# Altium PCB CompleteController.PcbDoc (continued)
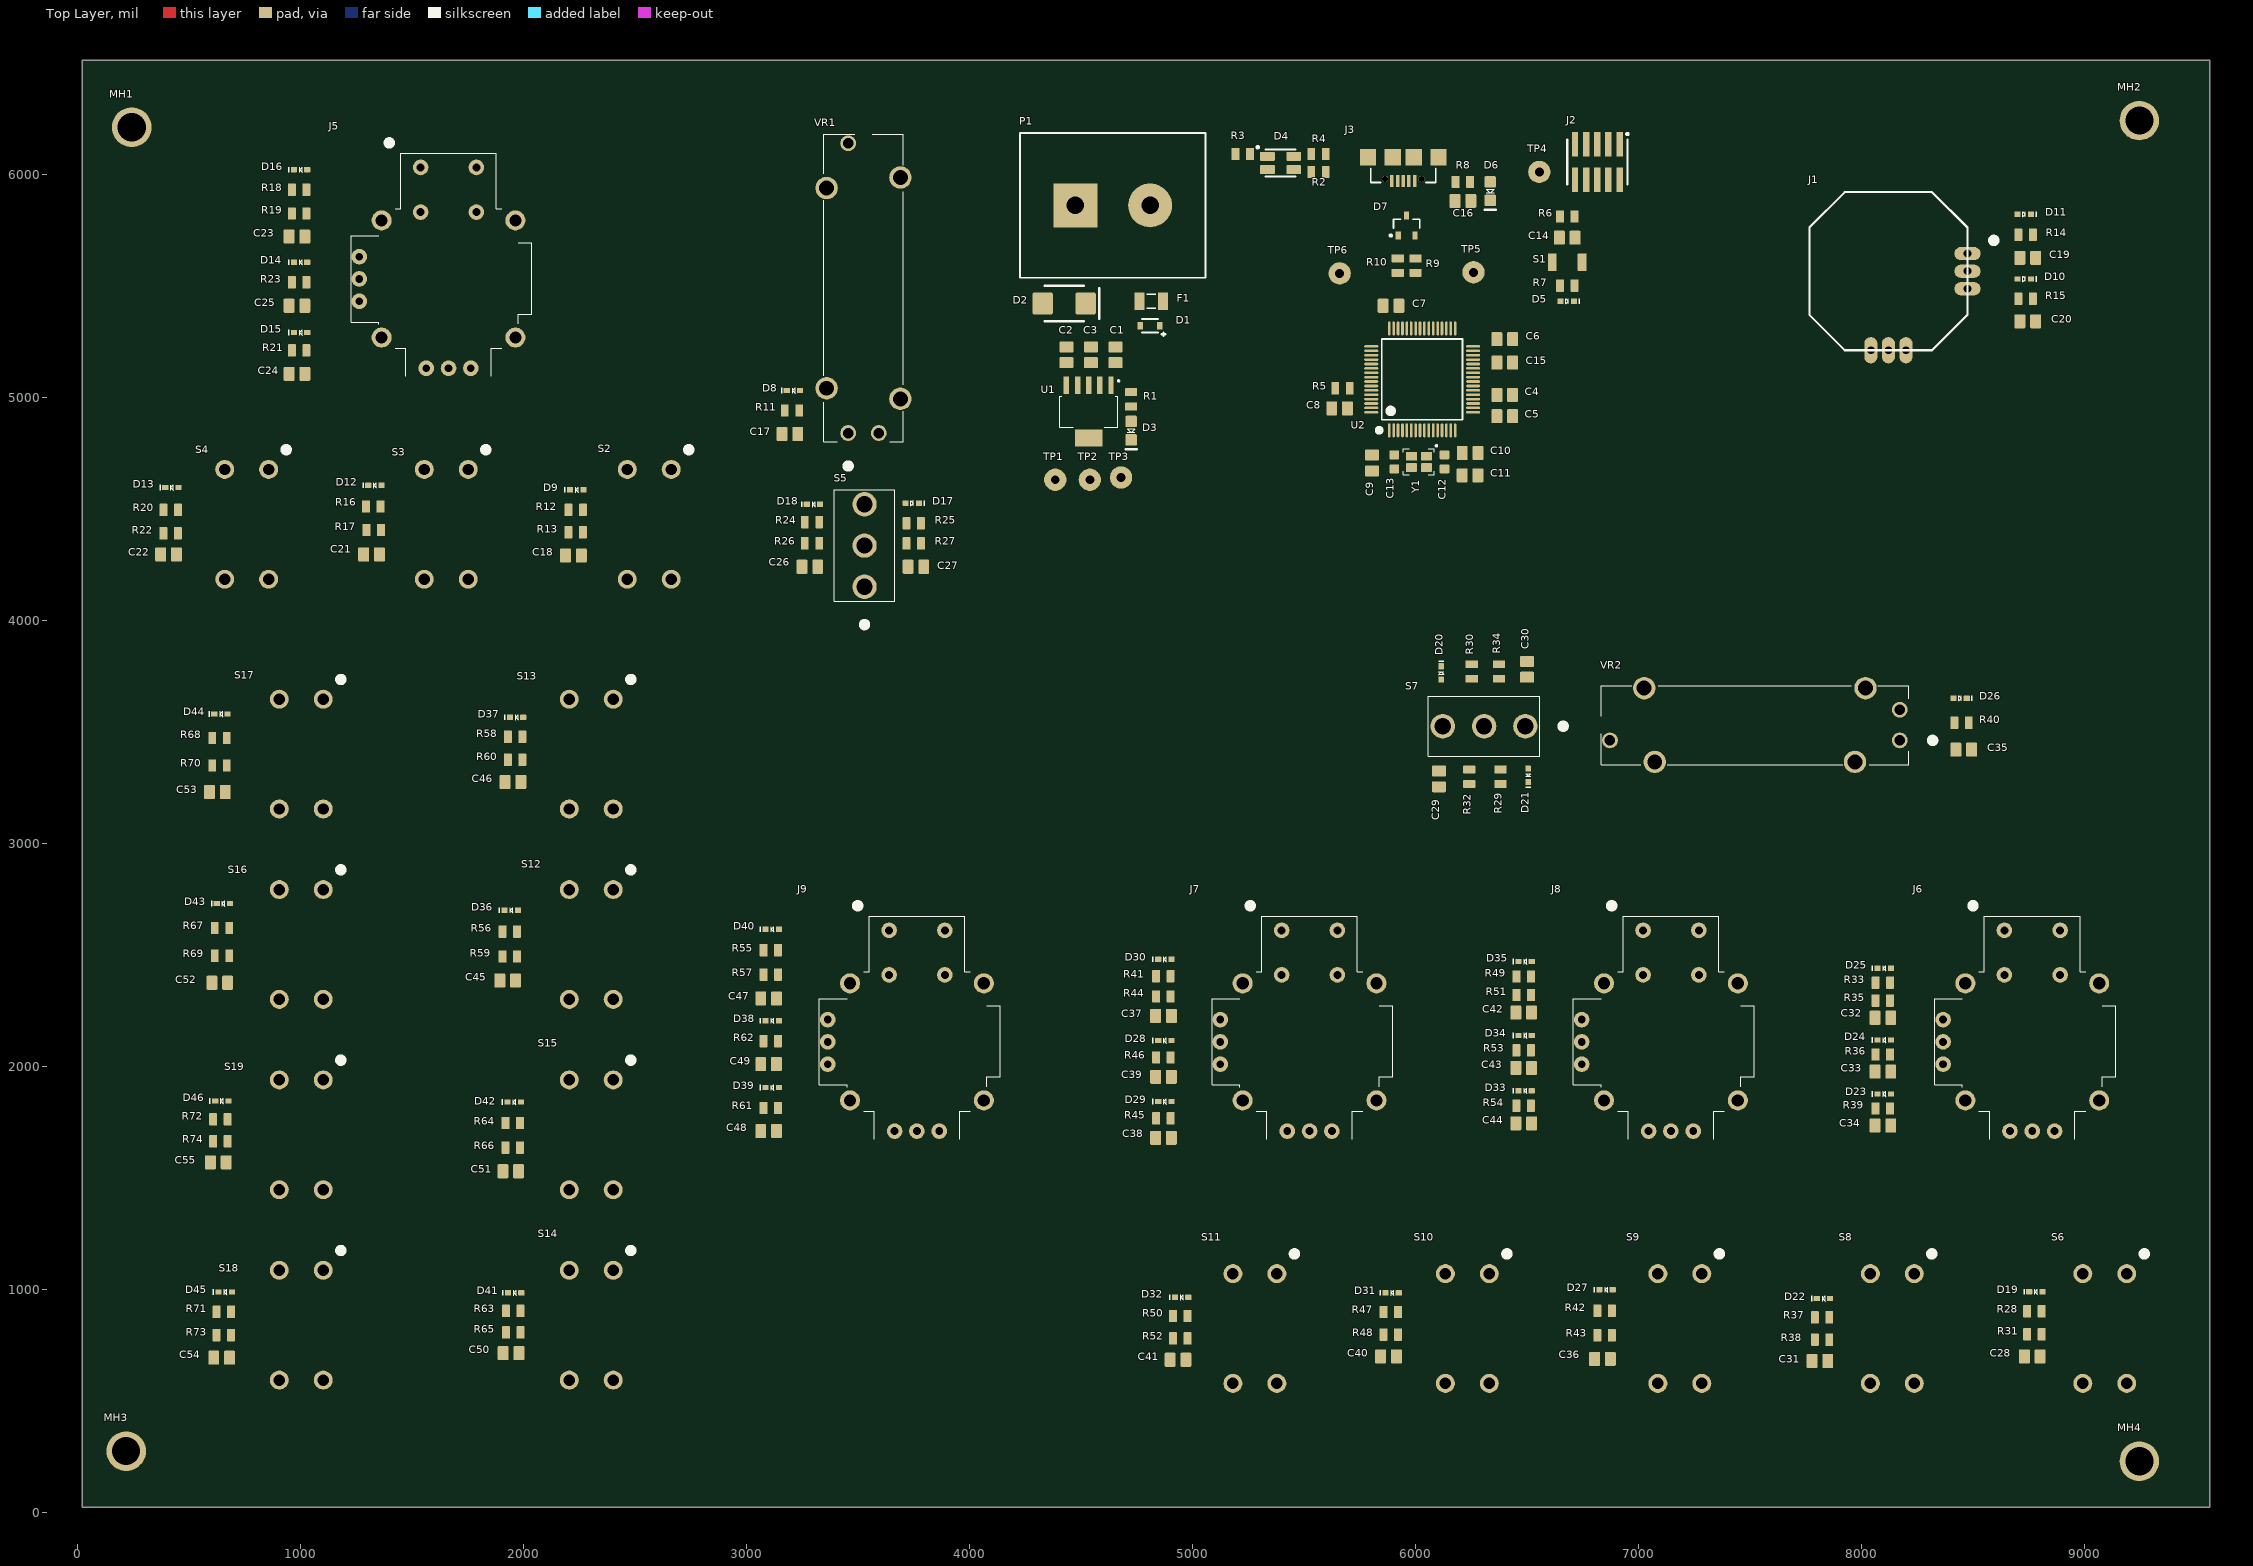
[diagram p0: Top Layer view]
## Components (designator, comment, footprint, x,y, rotation, side; value= is the part's Value field where it differs from the comment) (continued)
R48 "RES_10kΩ_0805_5%" RESC0805 5888.5,797.62 r180 top value=10kO
R49 "RES_10kΩ_0805_5%" RESC0805 6484.65,2403 r0 top value=10kO
R50 "RES_10kΩ_0805_5%" RESC0805 4945,880.85 r0 top value=10kO
R51 "RES_10kΩ_0805_5%" RESC0805 6484.65,2320.26 r180 top value=10kO
R52 "RES_10kΩ_0805_5%" RESC0805 4945,780.96 r180 top value=10kO
R53 "RES_10kΩ_0805_5%" RESC0805 6484.65,2072.03 r180 top value=10kO
R54 "RES_10kΩ_0805_5%" RESC0805 6484.65,1823.81 r180 top value=10kO
R55 "RES_10kΩ_0805_5%" RESC0805 3109.65,2520.85 r0 top value=10kO
R56 "RES_10kΩ_0805_5%" RESC0805 1939.88,2604.19 r0 top value=10kO
R57 "RES_10kΩ_0805_5%" RESC0805 3109.65,2410.96 r180 top value=10kO
R58 "RES_10kΩ_0805_5%" RESC0805 1963.5,3477.52 r0 top value=10kO
R59 "RES_10kΩ_0805_5%" RESC0805 1939.88,2492.62 r180 top value=10kO
R60 "RES_10kΩ_0805_5%" RESC0805 1963.5,3374.29 r180 top value=10kO
R61 "RES_10kΩ_0805_5%" RESC0805 3109.65,1813.41 r180 top value=10kO
R62 "RES_10kΩ_0805_5%" RESC0805 3109.65,2113.41 r180 top value=10kO
R63 "RES_10kΩ_0805_5%" RESC0805 1954.88,904.19 r0 top value=10kO
R64 "RES_10kΩ_0805_5%" RESC0805 1953.5,1745.85 r0 top value=10kO
R65 "RES_10kΩ_0805_5%" RESC0805 1954.88,807.62 r180 top value=10kO
R66 "RES_10kΩ_0805_5%" RESC0805 1953.5,1635.96 r180 top value=10kO
R67 "RES_10kΩ_0805_5%" RESC0805 649.41,2620.85 r0 top value=10kO
R68 "RES_10kΩ_0805_5%" RESC0805 638.5,3472.52 r0 top value=10kO
R69 "RES_10kΩ_0805_5%" RESC0805 649.41,2495.96 r180 top value=10kO
R70 "RES_10kΩ_0805_5%" RESC0805 638.5,3349.29 r180 top value=10kO
R71 "RES_10kΩ_0805_5%" RESC0805 657.52,900 r0 top value=10kO
R72 "RES_10kΩ_0805_5%" RESC0805 642.48,1762.52 r0 top value=10kO
R73 "RES_10kΩ_0805_5%" RESC0805 657.52,795.11 r180 top value=10kO
R74 "RES_10kΩ_0805_5%" RESC0805 642.48,1664.29 r180 top value=10kO
S1 "SW_TACTILE" B3U-1000P 6680,5605 r180 top
S2 "Pushbutton" TACTILE_SWITCH_PTH_12MM 2565,4430 r90 top
S3 "Pushbutton" TACTILE_SWITCH_PTH_12MM 1655,4430 r90 top
S4 "Pushbutton" TACTILE_SWITCH_PTH_12MM 760,4430 r90 top
S5 "SW_SPDT" 100SP1T1B4M2QE 3530,4335 r90 top
S6 "Pushbutton" TACTILE_SWITCH_PTH_12MM 9090,825 r90 top
S7 "100SP1T1B4M2QE" 100SP1T1B4M2QE 6307.44,3525 r180 top
S8 "Pushbutton" TACTILE_SWITCH_PTH_12MM 8137.5,825 r90 top
S9 "Pushbutton" TACTILE_SWITCH_PTH_12MM 7185,825 r90 top
S10 "Pushbutton" TACTILE_SWITCH_PTH_12MM 6232.5,825 r90 top
S11 "Pushbutton" TACTILE_SWITCH_PTH_12MM 5280,825 r90 top
S12 "Pushbutton" TACTILE_SWITCH_PTH_12MM 2305,2546.67 r90 top
S13 "Pushbutton" TACTILE_SWITCH_PTH_12MM 2305,3400 r90 top
S14 "Pushbutton" TACTILE_SWITCH_PTH_12MM 2305,840 r90 top
S15 "Pushbutton" TACTILE_SWITCH_PTH_12MM 2305,1693.33 r90 top
S16 "Pushbutton" TACTILE_SWITCH_PTH_12MM 1005,2546.67 r90 top
S17 "Pushbutton" TACTILE_SWITCH_PTH_12MM 1005,3400 r90 top
S18 "Pushbutton" TACTILE_SWITCH_PTH_12MM 1005,840 r90 top
S19 "Pushbutton" TACTILE_SWITCH_PTH_12MM 1005,1693.33 r90 top
TP1 "TESTPOINT_LOOP" TESTPOINT_LOOP 4385,4630 r0 top
TP2 "TESTPOINT_LOOP" TESTPOINT_LOOP 4540,4630 r0 top
TP3 "TESTPOINT_LOOP" TESTPOINT_LOOP 4680,4640 r0 top
TP4 "TESTPOINT_LOOP" TESTPOINT_LOOP 6555,6010 r0 top
TP5 "TESTPOINT_LOOP" TESTPOINT_LOOP 6260,5560 r0 top
TP6 "TESTPOINT_LOOP" TESTPOINT_LOOP 5660,5555 r0 top
U1 "TPS73733DCQR" SOT-223-6 4535,4935 r270 top
U2 "STM32F446RET6" STM-LQFP64_L 6030,5080 r90 top
VR1 "POT_10K_SLIDE" PTA20432015CPB103 3456.46,4839.21 r90 top
VR2 "POT_10K_SLIDE" PTA20432015CPB103 8170.87,3461.46 r180 top
Y1 "CRYSTAL_25MHZ" SOIC254P1016X440-4N 6015,4710 r180 top

## Footprints (in the part's own frame and the unit in brackets; to place one, negate y for a bottom-side part, rotate by r counter-clockwise, add the part's x,y. Pads: shape width x height; smd on the part's side, far side on the other; paste and mask are expansions set on the pad)
2_AXIS_JOYSTICK [mil]
  round 70 hole 35.43: B1A(-125,500) B1B(125,500) B2A(-125,300) B2B(125,300)
  round 70 hole 35: H1(-100,-400) H2(0,-400) H3(100,-400) V1(-400,100) V2(-400,0) V3(-400,-100)
  round 90 hole 55: S1(-300,262.5) S2(-300,-262.5) S3(300,-262.5) S4(300,262.5)
  silkscreen extent -437,-437 374,622, body extent -522,-527 528,560, height 1190
2_AXIS_JOYSTICK_SMALL [mm]
  oval 3x1.5 hole 0.9: 1(9,2) 2(9,0) 3(9,-2)
  oval 1.5x3 hole 0.9: 4(2,-9) 5(0,-9) 6(-2,-9)
  silkscreen extent -9,-9 12.3,9
100SP1T1B4M2QE [mm]
  round 2.775 hole 1.85: 1(-4.7,0) 2(0,0) 3(4.7,0)
  silkscreen extent -9.3,-3.43 6.35,3.43, body extent -6.35,-3.43 6.35,3.43, height 29.63
629105136821 [mm] "Micro USB 2.0 SMT Type B Horizontal 5 Contacts"
  rect 0.4x1.35 smd: 1(-1.3,2.675) 2(-0.65,2.675) 3(0,2.675) 4(0.65,2.675) 5(1.3,2.675)
  round 0.7 hole 0.7 unplated: MH1(-2.075,2.45) MH2(2.075,2.45)
  rect 1.8x1.9 smd: Shell(-4,0) Shell(4,0)
  rect 1.9x1.9 smd: Shell(-1.2,0) Shell(1.2,0)
  silkscreen extent -3.7,1.25 3.7,2.85, body extent -4,-2.73 4,3.17, height 2.69
B3U-1000P [mm] "TACTILE SWITCH GREY"
  rrect15% 1x2 smd: 1(-1.7,0) 2(1.7,0)
  body extent -2,-1.25 2,1.25, height 1.6
CAP0603 [mm]
  rrect20% 1x1.1 smd: 1(-0.8,0) 2(0.8,0)
  body extent -0.87,-0.48 0.88,0.48, height 0.87
CAP2012 [mm]
  rrect20% 1.25x1.6 smd: 1(-0.895,0) 2(0.895,0)
  body extent -1.1,-0.7 1.1,0.75, height 1.41
FTSH-105-01-F-DV-K-P-TR [mil] "Samtec programming header 10 positions"
  rect 29x110 smd mask+2: 1(-100,-80) 2(-100,80) 3(-50,-80) 4(-50,80) 5(0,-80) 6(0,80) 7(50,-80) 8(50,80) 9(100,-80) 10(100,80)
  silkscreen extent -140,-130 135,100, body extent -125,-115 125,175, height 276
FUSE_1206 [mil]
  rect 45x80 smd mask+1: 1(-52.5,0) 2(52.5,0)
  silkscreen extent -20,-32 20,32, body extent -65,-32 65,32, height 32
LED_0805_GREEN [mm] "SMD, 2-Leads, Body 2x1.25mm"
  rrect20% 1.3x1.3 smd: 1(-1.05,0) 2(1.05,0)
  silkscreen extent -0.2,-0.63 2.11,0.64, body extent -1,-0.62 1,0.63, height 1.12
LED_0805_YELLOW [mm] "SMD, 2-Leads, Body 2x1.25mm"
  rrect20% 1.3x1.3 smd: 1(-1.05,0) 2(1.05,0)
  silkscreen extent -0.2,-0.63 2.11,0.64, body extent -1,-0.62 1,0.63, height 1.12
LED_RGB [mm]
  rrect20% 1x1.7 smd: 1(-0.75,-1.5) 2(-0.75,1.5) 3(0.75,1.5) 4(0.75,-1.5)
  silkscreen extent -1.92,-2.72 1.53,1.7, body extent -1.4,-1.75 1.4,1.75, height 1.89
MOUNTING_HOLE_3mm [mm] "3mm Hole"
  round 4.5 hole 3.2 mask+0.3: 0(0,0)
OSTYK51102030 [mm] "Connector; Header; 2 Position"
  rect 5x5 hole 2: 1(-4.25,0)
  round 5 hole 2: 2(4.25,0)
  silkscreen extent -10.55,-8.25 10.55,8.25
PTA20432015CPB103 [mm]
  round 1.8 hole 1.2: 1(0,0) 2(0,-3.5) 3(33,0)
  round 2.55 hole 1.7: 4(3.9,-5.95) 5(5.1,2.45) 6(27.9,2.45) 7(29.1,-5.95)
  silkscreen extent -4.05,-6.25 34,2.75, body extent -1,-6.7 34,3.2, height 6.6
RESC0805 [mm] "Chip Resistor, 2-Leads, Body 2.00x1.25mm, IPC High Density"
  rrect15% 0.9x1.4 smd: 1(-0.825,0) 2(0.825,0)
  body extent -1,-0.62 1,0.63, height 0.61
SMBJ5.0A [mm] "9.2V Clamp 65.3A Ipp Tvs Diode Surface Mount SMB (DO-214AA)"
  rrect15% 2.3x2.5 smd: 1(-2.45,0) 2(2.45,0)
  silkscreen extent -4,-2.03 2.25,2.03, body extent -2.7,-1.8 2.7,1.8, height 2.27
SOD523 [mm] "ESD5Z3.3T1G"
  rrect15% 0.7x0.6 smd: 1(-0.76,0) 2(0.76,0)
  silkscreen extent -0.18,-0.3 1.35,0.31, body extent -0.8,-0.4 0.8,0.4, height 0.7
SOD-323_UNIDIR [mm]
  rect 0.63x0.83 smd: 1(-1.115,0) 2(1.115,0)
  silkscreen extent -1.73,-0.76 0.9,1.17, body extent -1.24,-0.62 1.24,0.62, height 1.1
SOIC254P1016X440-4N [mm]
  rrect15% 1.25x1 smd: 1(-0.85,-0.65) 2(0.85,-0.65) 3(0.85,0.65) 4(-0.85,0.65)
  silkscreen extent -2.11,-1.93 1.75,1.47, body extent -1.24,-0.85 1.24,0.85, height 0.56
SOT23-3 [mm] "SOT23, 3-Leads, Body 2.90x2.30mm, Pitch 0.95mm, IPC Medium Density"
  rect 0.9x0.6 smd: 1(-1.15,0.95) 2(-1.15,-0.95) 3(1.15,0)
  silkscreen extent -1.27,-1.5 0.7,1.92, body extent -1.3,-1.5 1.3,1.5, height 1.1
SOT-223-6 [mm]
  rect 1.97x0.62 smd: 1(-3.005,2.54) 2(-3.005,1.27) 3(-3.005,0) 4(-3.005,-1.27) 5(-3.005,-2.54)
  rect 1.97x3.16 smd: 6(3.005,0)
  silkscreen extent -3.6,-3.28 1.78,3.5, body extent -3.63,-3.28 3.63,3.27, height 1.8
STM-LQFP64_L [mm] "QFP, 64-Leads, Body 10x10mm, Pitch 0.5mm, IPC High Density"
  oval 1.6x0.3 smd: 1(-5.8,3.75) 2(-5.8,3.25) 3(-5.8,2.75) 4(-5.8,2.25) 5(-5.8,1.75) 6(-5.8,1.25) 7(-5.8,0.75) 8(-5.8,0.25) 9(-5.8,-0.25) 10(-5.8,-0.75) 11(-5.8,-1.25) 12(-5.8,-1.75) 13(-5.8,-2.25) 14(-5.8,-2.75) 15(-5.8,-3.25) 16(-5.8,-3.75) 33(5.8,-3.75) 34(5.8,-3.25) 35(5.8,-2.75) 36(5.8,-2.25) 37(5.8,-1.75) 38(5.8,-1.25) 39(5.8,-0.75) 40(5.8,-0.25) 41(5.8,0.25) 42(5.8,0.75) 43(5.8,1.25) 44(5.8,1.75) 45(5.8,2.25) 46(5.8,2.75) 47(5.8,3.25) 48(5.8,3.75)
  oval 0.3x1.6 smd: 17(-3.75,-5.8) 18(-3.25,-5.8) 19(-2.75,-5.8) 20(-2.25,-5.8) 21(-1.75,-5.8) 22(-1.25,-5.8) 23(-0.75,-5.8) 24(-0.25,-5.8) 25(0.25,-5.8) 26(0.75,-5.8) 27(1.25,-5.8) 28(1.75,-5.8) 29(2.25,-5.8) 30(2.75,-5.8) 31(3.25,-5.8) 32(3.75,-5.8) 49(3.75,5.8) 50(3.25,5.8) 51(2.75,5.8) 52(2.25,5.8) 53(1.75,5.8) 54(1.25,5.8) 55(0.75,5.8) 56(0.25,5.8) 57(-0.25,5.8) 58(-0.75,5.8) 59(-1.25,5.8) 60(-1.75,5.8) 61(-2.25,5.8) 62(-2.75,5.8) 63(-3.25,5.8) 64(-3.75,5.8)
  silkscreen extent -5.92,-4.6 4.6,5.02, body extent -5.98,-6 6.02,6, height 1.56
TACTILE_SWITCH_PTH_12MM [mil]
  round 85 / inner round 60 / far side round 85 hole 51.18: 1(246.06,-98.43) 2(-246.06,-98.43) 3(246.06,98.43) 4(-246.06,98.43)
  silkscreen extent 323,-189 346,-165, body extent -274,-235 272,237, height 374
TESTPOINT_LOOP [mm]
  round 2.54 hole 1.02: 1(0,0)
  body extent -1.27,-1.27 1.27,1.27, height 4.57

## Part data
C1 C3: "CAP CER 1UF 50V X7R 0805", Manufacturer 1="Samsung Electro-Mechanics", Manufacturer Part Number 1=CL21B105KBFNNNG, Package=0805, Supplier Part Number 1=1276-6470-1-ND, Tolerane=±10%, Voltage Rating=50V, Mount="Surface Mount", Supplier 1=Digi-Key
C2: "CAP CER 10000PF 100V X7R 0805", Case Code (Imperial)=0805, Case Code (Metric)=2012, Dielectric=X7R, Manufacturer 1=KEMET, Manufacturer Part Number 1=C0805C103K1RACTU, Max Operating Temperature=125°C, Min Operating Temperature=-55°C, Package="0805 (2012 Metric)", Supplier Part Number 1=399-1159-1-ND, Tolerance=10%, Voltage Rating=100V, Mount="Surface Mount", Supplier 1=Digi-Key, Termination=SMD/SMT
C4 C5 C6 C7 C9: library part CAP_0.01uF_100V_0805, "CAP CER 10000PF 100V X7R 0805", Case Code (Imperial)=0805, Case Code (Metric)=2012, Manufacturer 1=KEMET, Manufacturer Part Number 1=C0805C103K1RACTU, Max Operating Temperature=125°C, Min Operating Temperature=-55°C, Package="0805 (2012 Metric)", Supplier Part Number 1=399-1159-1-ND, Tolerance=10%, Voltage Rating=100V, Mount="Surface Mount", Supplier 1=Digi-Key, Termination=SMD/SMT
C8 C15: "CAP CER 4.7UF 16V X5R 0805", Case Code (Imperial)=0805, Case Code (Metric)=2012, Manufacturer 1="Samsung Electro-Mechanics", Manufacturer Part Number 1=CL21A475KOFNNNE, Max Operating Temperature=85°C, Min Operating Temperature=-55°C, Package="0805 (2012 Metric)", Supplier Part Number 1=1276-1065-1-ND, Tolerance=10%, Voltage Rating=16V, Mount="Surface Mount", Supplier 1=Digi-Key, Termination=SMD/SMT
C10: "CAP CER 10000PF 100V X7R 0805", Case Code (Imperial)=0805, Case Code (Metric)=2012, Manufacturer 1=KEMET, Manufacturer Part Number 1=C0805C103K1RACTU, Max Operating Temperature=125°C, Min Operating Temperature=-55°C, Package="0805 (2012 Metric)", Supplier Part Number 1=399-1159-1-ND, Tolerance=10%, Voltage Rating=100V, Mount="Surface Mount", Supplier 1=Digi-Key, Termination=SMD/SMT
C11 C14: "CAP CER 1UF 25V X7R 0805", Capacitance=1uF, Case/Package=0805, Dielectric=X7R, Manufacturer 1=Murata, Manufacturer Part Number 1=GCM21BR71E105KA56L, Supplier Part Number 1=490-4785-1-ND, Tolerance=10%, Voltage Rating=25V, Mount="Surface Mount", Supplier 1=Digi-Key, Voltage Rating (DC)=25V
C12 C13: "CAP CER 14PF 50V C0G/NP0 0603", Case Code (Imperial)=0603, Case Code (Metric)=1608, Dielectric=C0G, Manufacturer 1=Samsung, Manufacturer Part Number 1=CL10C140JB8NNNC, Max Operating Temperature=125°C, Min Operating Temperature=-55°C, Package="0603 (1608 Metric)", Supplier Part Number 1=1276-2187-1-ND, Tolerance=5%, Voltage Rating=50V, Depth=0.8mm, Height=0.8mm, Length=1.6mm, Mount="Surface Mount", Supplier 1=Digi-Key, Thickness=0.035inch, Voltage Rating (DC)=50V, Width=0.031inch
C16: "CAP CER 10000PF 16V X7R 0805", Capacitance=10nF, Case/Package=0805, Case Code (Metric)=2012, Manufacturer 1=Yageo, Manufacturer Part Number 1=AC0805KRX7R7BB103, Max Operating Temperature=125°C, Min Operating Temperature=-55°C, Ratings=AEC-Q200, Supplier Part Number 1=311-3161-1-ND, Tolerance=10%, Voltage Rating=16V, Case Code (Imperial)=0805, ComponentLink1Description=http://www.yageo.com/NewPortal/_en/search/productDocs.jsp?YageoPartNumber=AC0805KRX7R7BB103&src-supplier=Digi-Key, ComponentLink1URL=http://www.yageo.com/NewPortal/_en/search/productDocs.jsp?YageoPartNumber=AC0805KRX7R7BB103&src-supplier=Digi-Key, Mount="Surface Mount", Packaging="Cut Tape", Pricing 1="1=0.20000, 10=0.13900, 100=0.07060, 500=0.04832, 1000=0.04275 (USD)", RoHS=No, Stock 1=14344, Supplier 1=Digi-Key
C17 C18 C19 C20 C21 C22 C23 C24 C25 C26 C27 C28 C29 C30 C31 C32 C33 C34 C35 C36 C37 C38 C39 C40 C41 C42 C43 C44 C45 C46 C47 C48 C49 C50 C51 C52 C53 C54 C55: "CAP CER 1UF 16V X7R 0805", Case Code (Imperial)=0805, Case Code (Metric)=2012, Dielectric=X7R, Manufacturer 1=Yageo, Manufacturer Part Number 1=CC0805KKX7R7BB105, Max Operating Temperature=125°C, Min Operating Temperature=-55°C, Package="0805 (2012 Metric)", Supplier Part Number 1=311-1365-1-ND, Tolerance=10%, Voltage Rating=16V, Mount="Surface Mount", Supplier 1=Digi-Key, Termination=SMD/SMT
D1: "DIODE SCHOTTKY 30V 800MA USC", Manufacturer 1="Toshiba Semiconductor and Storage", Manufacturer Part Number 1=CUS08F30,H3F, Supplier Part Number 1=CUS08F30H3FCT-ND, Io=800mA, Mount="Surface Mount", Supplier 1=Digi-Key, Vf (Max)=220mV, Vr (Max)=30V
D2: "TVS DIODE 5V 9.2V DO214AA", Breakdown Voltage=7.25V, Clamping Voltage=9.2V, Leakage Current=800uA, Manufacturer 1=Bourns, Manufacturer Part Number 1=SMBJ5.0A, Max Operating Temperature=150°C, Max Power Dissipation=600W, Max Surge Current=100A, Min Breakdown Voltage=6.4V, Min Operating Temperature=-55°C, Operating Supply Voltage=3.5V, Peak Pulse Current=65.2A, Power Line Protection=No, Reverse Standoff Voltage=5V, Supplier Part Number 1=SMBJ5.0ABCT-ND, Test Current=10mA, Composition=Zener, Max Breakdown Voltage=7.25V, Max Reverse Leakage Current=800uA, Mount="Surface Mount", Number of Channels=1, Number of Pins=2, Peak Pulse Power=600W, Polarity=Unidirectional, Reverse Breakdown Voltage=6.4V, Supplier 1=Digi-Key
D3: library part DIO_LED_G, "LED GREEN DIFFUSED 0805 SMD", Forward Voltage Drop=2.2V, Manufacturer 1=OSRAM, Package="0805 (2012 Metric)", Supplier Part Number 1=475-1410-1-ND, Manufacturer Part Number 1="LG R971-KN-1", Mount="Surface Mount", Supplier 1=Digi-Key
D4: "LED RGB DIFFUSED 4PLCC SMD", Case/Package=PLCC, Color=Blue,Green,Red, Forward Voltage=3.1V, Lens Color=White, Manufacturer 1=Broadcom, Manufacturer Part Number 1=ASMB-MTB1-0A3A2, Supplier Part Number 1=516-3280-1-ND, Test Current=20mA, ComponentLink1Description=http://www.farnell.com/datasheets/2111106.pdf?src-supplier=Farnell, ComponentLink1URL=http://www.farnell.com/datasheets/2111106.pdf?src-supplier=Farnell, ComponentLink2Description=https://docs.broadcom.com/docs/AV02-4194EN?src-supplier=Digi-Key, ComponentLink2URL=https://docs.broadcom.com/docs/AV02-4194EN?src-supplier=Digi-Key, ComponentLink3Description=http://www.farnell.com/datasheets/1801564.pdf?src-supplier=Element14, ComponentLink3URL=http://www.farnell.com/datasheets/1801564.pdf?src-supplier=Element14, ComponentLink4Description=http://www.farnell.com/datasheets/2111106.pdf?src-supplier=Newark, ComponentLink4URL=http://www.farnell.com/datasheets/2111106.pdf?src-supplier=Newark, Dominant Wavelength=470nm, Height=1.9mm, Length=3.2mm, Lens Style=Round, Lens Transparency=Diffused, Luminous Intensity=350mcd, Mount="Surface Mount", Number of Pins=4, Packaging="Cut Tape", Pricing 1="1=0.60000, 10=0.47100, 100=0.30210, 500=0.25980, 1000=0.20059 (USD)", REACH SVHC="No SVHC", RoHS=Yes, Stock 1=142531, Supplier 1=Digi-Key, Viewing Angle=115°, Width=2.8mm
D5 D8 D9 D10 D11 D12 D13 D14 D15 D16 D17 D18 D19 D20 D21 D22 D23 D24 D25 D26 D27 D28 D29 D30 D31 D32 D33 D34 D35 D36 D37 D38 D39 D40 D41 D42 D43 D44 D45 D46: "TVS DIODE 3.3V 14.1V SOD523. Used to protect each connector input line going into the MCU.", Clamping Voltage=14.1V, Manufacturer 1="ON Semiconductor", Manufacturer Part Number 1=ESD5Z3.3T1G, Max Operating Temperature=150°C, Min Operating Temperature=-55°C, Peak Pulse Current=11.2A, Peak Pulse Power=158W, Power Line Protection=No, Reverse Breakdown Voltage=5V, Reverse Standoff Voltage=3.3V, Supplier Part Number 1=ESD5Z3.3T1GOSCT-ND, Composition=Zener, Mount="Surface Mount", Number of Channels=1, Number of Pins=2, Polarity=Unidirectional, Supplier 1=Digi-Key
D6: library part DIO_LED_Y, "LED YELLOW DIFFUSED 0805 SMD", Forward Voltage Drop=2.2V, Manufacturer 1=OSRAM, Package="0805 (2012 Metric)", Supplier Part Number 1=475-2560-1-ND, Manufacturer Part Number 1="LY R976-PS-36", Mount="Surface Mount", Supplier 1=Digi-Key
D7: "ESD Suppressor Diode Arrays 8KV 3-Pin SOT-23 T/R", Breakdown Voltage=7V, Capacitance=0.9pF, Case/Package=SOT-23, Clamping Voltage=8V, Current Rating=100nA, Manufacturer="Texas Instruments", Manufacturer Part Number=TPD2E009DBZR, Max Operating Temperature=85°C, Max Power Dissipation=45W, Min Breakdown Voltage=9V, Min Operating Temperature=-40°C, Operating Supply Voltage=6V, Package Quantity=1, Peak Pulse Current=1A, Power Line Protection=Yes, Reverse Standoff Voltage=5.5V, Supplier Part Number 1=296-24657-1-ND, Category="Interface ICs", ComponentLink1Description=https://datasheet.ciiva.com/353/tpd2e009-353266.pdf?src-supplier=Digi-Key, ComponentLink1URL=https://datasheet.ciiva.com/353/tpd2e009-353266.pdf?src-supplier=Digi-Key, ComponentLink2Description=https://datasheet.ciiva.com/15134/getdatasheetpartid-243395-15134537.pdf?src-supplier=Verical, ComponentLink2URL=https://datasheet.ciiva.com/15134/getdatasheetpartid-243395-15134537.pdf?src-supplier=Verical, ComponentLink3Description=https://datasheet.ciiva.com/4479/slvs953a-121037-4479453.pdf?src-supplier=Mouser, ComponentLink3URL=https://datasheet.ciiva.com/4479/slvs953a-121037-4479453.pdf?src-supplier=Mouser, ComponentLink4Description=https://datasheet.ciiva.com/353/tpd2e009-353268.pdf?src-supplier=Digi-Key, ComponentLink4URL=https://datasheet.ciiva.com/353/tpd2e009-353268.pdf?src-supplier=Digi-Key, ComponentLink5Description=https://datasheet.ciiva.com/353/tpd2e009-353267.pdf?src-supplier=Digi-Key, ComponentLink5URL=https://datasheet.ciiva.com/353/tpd2e009-353267.pdf?src-supplier=Digi-Key, ComponentLink6Description=https://datasheet.ciiva.com/46384/1707898-46384524.pdf?src-supplier=Element14, ComponentLink6URL=https://datasheet.ciiva.com/46384/1707898-46384524.pdf?src-supplier=Element14, Depth=1.3mm, Direction=Unidirectional, Element Configuration=Dual, Height=1mm, Interface=LVDS,PCIe,SATA, Lead Free="Lead Free", Length=2.92mm, Number of Bidirectional Channels=2, Number of Channels=2, Number of Pins=3, Packaging="Tape and Reel", Peak Pulse Power=45W, Pricing 1="1=0.56000, 10=0.48000, 25=0.44800, 100=0.33280, 250=0.31616, 500=0.25984, 1000=0.21120 (USD)", Radiation Hardening=No, REACH SVHC="No SVHC", RoHS=Yes, Stock 1=98615, Supplier 1=Digi-Key, Termination=SMD/SMT, Width=1.3mm, Working Voltage=5.5V
F1: "FUSE SMD 1.25A 63V", Case/Package=1206, Case Code (Metric)=3216, Current Rating=1.25A, DC Cold Resistance=59mR, Manufacturer 1=Littelfuse, Manufacturer Part Number 1=04661.25NRHF, Max Operating Temperature=90°C, Min Operating Temperature=-55°C, Supplier Part Number 1=F11418CT-ND, Voltage Rating (AC)=63V, Approvals=UL,CSA, Case Code (Imperial)=1206, Fuse Type="Board Mount (Cartridge Style Excluded)", Mount="Surface Mount", Supplier 1=Digi-Key, Voltage Rating (DC)=63V
J1: "JOYSTICK 10K OHM 2 AXIS TH", Manufacturer 1="Adafruit Industries", Manufacturer Part Number 1=2765, Resistance=10kR, Supplier Part Number 1=1528-1730-ND, Height=0.472inch, Length=0.707inch, Mount="Through Hole", Supplier 1=Digi-Key, Width=0.697inch
J2: "Board Connector, 10 Contact(s), 2 Row(s), Male, Straight, 0.05 inch Pitch, Surface Mount Terminal, Locking", Color=Black, Manufacturer 1=Samtec, Manufacturer Part Number 1=FTSH-105-01-F-DV-K, Max Current Rating=1.75A, Max Operating Temperature=125°C, Min Operating Temperature=-55°C, Package Quantity=1, Supplier Part Number 1=SAM8796-ND, Category="Headers and Wire Housings", ComponentLink1Description=https://datasheet.ciiva.com:443/pdfs/VipMasterIC/IC/SAMI/SAMI-S-A0003531380/SAMI-S-A0003531380-1.pdf?src-supplier=IHS+Markit, ComponentLink1URL=https://datasheet.ciiva.com:443/pdfs/VipMasterIC/IC/SAMI/SAMI-S-A0003531380/SAMI-S-A0003531380-1.pdf?src-supplier=IHS+Markit, ComponentLink2Description=https://datasheet.ciiva.com/19461/2046846-19461026.pdf?src-supplier=Jameco, ComponentLink2URL=https://datasheet.ciiva.com/19461/2046846-19461026.pdf?src-supplier=Jameco, ComponentLink3Description=https://datasheet.ciiva.com/16657/ftsh-mt-16657371.pdf?src-supplier=Avnet+Europe, ComponentLink3URL=https://datasheet.ciiva.com/16657/ftsh-mt-16657371.pdf?src-supplier=Avnet+Europe, ComponentLink4Description=https://datasheet.ciiva.com/15195/getdatasheetpartid-133463-15195260.pdf?src-supplier=Verical, ComponentLink4URL=https://datasheet.ciiva.com/15195/getdatasheetpartid-133463-15195260.pdf?src-supplier=Verical, ComponentLink5Description=https://datasheet.ciiva.com/738/ftsh-1xx-xx-xxx-dv-xxx-mkt-738998.pdf?src-supplier=Digi-Key, ComponentLink5URL=https://datasheet.ciiva.com/738/ftsh-1xx-xx-xxx-dv-xxx-mkt-738998.pdf?src-supplier=Digi-Key, ComponentLink6Description=https://datasheet.ciiva.com/10245/ftsh-mt-10245273.pdf?src-supplier=Avnet, ComponentLink6URL=https://datasheet.ciiva.com/10245/ftsh-mt-10245273.pdf?src-supplier=Avnet, Connector Type="Male Pin", Contact Material=Copper,Bronze, Contact Mating Length=0.12inch, Contact Plating=Gold, Depth=3.43mm, Height=3.3mm, Housing Color=Black, Housing Material=Polymer, Lead Free="Lead Free", Length=15.2mm, Mount="Surface Mount", Number of Contacts=10, Number of Positions=10, Number of Rows=2, Orientation=Straight, Packaging=Rail/Tube, Pitch=1.27mm, Pricing 1="1=2.90000, 10=2.78400, 100=2.32000, 500=1.97200, 1000=1.68200, 5000=1.50800 (USD)", Radiation Hardening=No, RoHS=Yes, Row Spacing=0.05inch, Stock 1=19926, Supplier 1=Digi-Key, Termination=Solder
J3: library part CMP-1502-03253-1, "Micro USB 2.0 Type B Receptacle WR-COM, Horizontal, SMT, with Pads and Pegs", Contact Resistance=30mOhm, Manufacturer="Wurth Elektronik", Operating Temperature=-40to105degC, Rated Current=1A, Working Voltage=30VAC, Connector Type=MicroUSB2.0TypeB, Datasheet URL=https://katalog.we-online.de/em/datasheet/629105136821.pdf, Gender=Receptacle, Manufacturer URL=http://www.we-online.de, Mounting Technology=SMT, Orientation=Horizontal, Package Reference=629105136821, Packaging=TapeandReel, Part Number=629105136821, Publisher=WurthElektronik
J5 J6 J7 J8 J9: "JOYSTICK 10K OHM 2 AXIS TH", Manufacturer 1=SparkFun, Manufacturer Part Number 1=COM-09032, Supplier Part Number 1=1568-1526-ND, Supplier 1=Digi-Key
MH3: library part MOUNTING_HOLE_M3, "MOUNTING_HOLE_M3"
P1: "Header, 2-Pin", Manufacturer 1="On Shore Technology Inc.", Manufacturer Part Number 1=OSTYK51102030, Supplier Part Number 1=ED2953-ND, Mount="Through Hole", Supplier 1=Digi-Key
R1: library part RES_240O_0805_1%, "RES 240 OHM 1% 1/8W 0805", Case/Package=0805, Case Code (Metric)=2012, Manufacturer 1=Vishay, Manufacturer Part Number 1=CRCW0805240RFKEA, Max Operating Temperature=155°C, Max Power Dissipation=125mW, Min Operating Temperature=-55°C, Package Quantity=10, Resistance=240O, Resistor Type="Thick Film", Supplier Part Number 1=541-240CCT-ND, Temperature Coefficient=100ppm/°C, Tolerance=1%, Voltage Rating=150V, Case Code (Imperial)=0805, ComponentLink1Description=https://datasheet.ciiva.com/11810/0900766b80d98b26-11810664.pdf?src-supplier=RSComponents, ComponentLink1URL=https://datasheet.ciiva.com/11810/0900766b80d98b26-11810664.pdf?src-supplier=RSComponents, ComponentLink2Description=https://datasheet.ciiva.com/2467/dcrcwe3-2467397.pdf?src-supplier=Digi-Key, ComponentLink2URL=https://datasheet.ciiva.com/2467/dcrcwe3-2467397.pdf?src-supplier=Digi-Key, ComponentLink3Description=https://datasheet.ciiva.com/5541/dcrcwe3-109170-5541461.pdf?src-supplier=Mouser, ComponentLink3URL=https://datasheet.ciiva.com/5541/dcrcwe3-109170-5541461.pdf?src-supplier=Mouser, ComponentLink4Description=https://datasheet.ciiva.com/2467/dcrcwe3-2467395.pdf?src-supplier=Digi-Key, ComponentLink4URL=https://datasheet.ciiva.com/2467/dcrcwe3-2467395.pdf?src-supplier=Digi-Key, ComponentLink5Description=https://datasheet.ciiva.com/2467/dcrcwe3-2467396.pdf?src-supplier=Digi-Key, ComponentLink5URL=https://datasheet.ciiva.com/2467/dcrcwe3-2467396.pdf?src-supplier=Digi-Key, ComponentLink6Description=https://datasheet.ciiva.com/15159/getdatasheetpartid-101887-15159995.pdf?src-supplier=Verical, ComponentLink6URL=https://datasheet.ciiva.com/15159/getdatasheetpartid-101887-15159995.pdf?src-supplier=Verical, ComponentLink7Description=https://datasheet.ciiva.com/16435/dcrcwe3-16435931.pdf?src-supplier=Future+Electronics, ComponentLink7URL=https://datasheet.ciiva.com/16435/dcrcwe3-16435931.pdf?src-supplier=Future+Electronics, ComponentLink8Description=https://datasheet.ciiva.com/26317/fld-crcw-e3-data-en-26317341.pdf?src-supplier=Distrelec, ComponentLink8URL=https://datasheet.ciiva.com/26317/fld-crcw-e3-data-en-26317341.pdf?src-supplier=Distrelec, Contact Plating=Tin, Depth=1.25mm, Features="Automotive AEC-Q200", Height=0.45mm, Lead Free="Lead Free", Length=2mm, Military Standard=Not, Number of Terminations=2, Packaging="Tape and Reel", Power Rating=125mW, Pricing 1="1=0.10000, 10=0.05700, 100=0.02310, 1000=0.01039, 2500=0.00902 (USD)", Radiation Hardening=No, REACH SVHC=Unknown, RoHS=Yes, Stock 1=27214, Supplier 1=Digi-Key, Termination=SMD/SMT, Voltage Rating (DC)=150V, Weight=0.000194oz, Width=0.049inch
R2 R4: library part RES_20O_0805_1%, "RES 20 OHM 1% 1/8W 0805", Case Code (Imperial)=0805, Case Code (Metric)=2012, Manufacturer 1=Yageo, Manufacturer Part Number 1=RC0805FR-0720RL, Max Operating Temperature=155°C, Min Operating Temperature=-55°C, Package="0805 (2012 Metric)", Power Rating=125mW, Resistance=20, Supplier Part Number 1=311-20.0CRCT-ND, Tolerance=1%, Supplier 1=Digi-Key, Termination=SMD/SMT
R3: library part RES_100O_0805_1%, "RES 100 OHM 1% 1/8W 0805", Case Code (Imperial)=0805, Manufacturer 1="Vishay Dale", Manufacturer Part Number 1=CRCW0805100RFKEA, Supplier Part Number 1=541-100CCT-ND, Mount="Surface Mount", Supplier 1=Digi-Key
R5 R6 R7 R11 R12 R13 R14 R15 R16 R17 R18 R19 R20 R21 R22 R23 R24 R25 R26 R27 R28 R29 R30 R31 R32 R33 R34 R35 R36 R37 R38 R39 R40 R41 R42 R43 R44 R45 R46 R47 R48 R49 R50 R51 R52 R53 R54 R55 R56 R57 R58 R59 R60 R61 R62 R63 R64 R65 R66 R67 R68 R69 R70 R71 R72 R73 R74: library part RES_10kO_0805_5%, "RES 10K OHM 5% 1/8W 0805", Case Code (Imperial)=0805, Manufacturer 1="Panasonic Electronic Components", Manufacturer Part Number 1=ERJ-6GEYJ103V, Supplier Part Number 1=P10KACT-ND, Supplier 1=Digi-Key
R8: library part RES_1kO_0805_1%, "RES 1K OHM 1% 1/8W 0805", Case/Package=0805, Case Code (Metric)=2012, Manufacturer 1=Yageo, Manufacturer Part Number 1=RC0805FR-071KL, Max Operating Temperature=155°C, Max Power Dissipation=125mW, Min Operating Temperature=-55°C, Package="0805 (2012 Metric)", Resistance=1kO, Supplier Part Number 1=311-1.00KCRCT-ND, Temperature Coefficient=25ppm/°C, Tolerance=1%, Voltage Rating=150V, Case Code (Imperial)=0805, Composition="Thin Film", Contact Plating=Tin, Depth=1.25mm, Features="Moisture Resistant,Automotive AEC-Q200,Anti-Sulfur", Height=0.022inch, Length=2mm, Military Standard=Not, Mount="Surface Mount", Number of Pins=2, Number of Terminations=2, Power Rating=125mW, REACH SVHC=Unknown, Supplier 1=Digi-Key, Termination=SMD/SMT, Voltage Rating (DC)=150V, Weight=0.000194oz, Width=0.049inch
R9 R10: library part RES_27O_0805_1%, "RES 27 OHM 1% 1/8W 0805", Case/Package=0805, Case Code (Metric)=2012, Manufacturer 1=Yageo, Manufacturer Part Number 1=RC0805FR-0727RL, Max Operating Temperature=155°C, Min Operating Temperature=-55°C, Power Rating=125mW, Resistance=27O, Supplier Part Number 1=311-27.0CRCT-ND, Temperature Coefficient=100ppm/°C, Tolerance=1%, Voltage Rating=150V, Case Code (Imperial)=0805, Composition="Thick Film", Depth=1.25mm, Height=0.5mm, Length=2mm, Military Standard=Not, Number of Terminations=2, REACH SVHC=Unknown, Supplier 1=Digi-Key, Termination=SMD/SMT, Width=1.25mm, Working Voltage=150V
S1: "Tactile Switch (Grey)", Manufacturer 1="Omron Electronics Inc-EMC Div", Manufacturer Part Number 1=B3U-1000P, Supplier Part Number 1=SW1020CT-ND, Mount="Surface Mount", Supplier 1=Digi-Key
S2 S3 S4: library part MOMENTARY_SWITCH_TH, "Momentary Switch (Pushbutton) - SPST", Manufacturer 1=SparkFun, Manufacturer Part Number 1=COM-10302, Package=TACTILE_SWITCH_PTH_12MM, Supplier Part Number 1=1568-1332-ND, ComponentLink1Description=https://www.sparkfun.com/datasheets/Components/Buttons/TSA12110%20TACT%20SWITCH.jpg?src-supplier=Digi-Key, ComponentLink1URL=https://www.sparkfun.com/datasheets/Components/Buttons/TSA12110%20TACT%20SWITCH.jpg?src-supplier=Digi-Key, Mount="Through Hole", Pricing 1="1=5.85000 (USD)", PROD_ID=SWCH-09185, RoHS=No, SF_SKU=COM-09190, Stock 1=32, Supplier 1=Digi-Key, SymbolName_1=SWITCH-MOMENTARY-2, Termination="PC Pin", Throw Configuration=SPST
S5: "SWITCH TOGGLE SPDT 5A 120V", Current Rating=5A, Manufacturer 1=E-Switch, Manufacturer Part Number 1=100SP1T1B4M2QE, Max Operating Temperature=85°C, Min Operating Temperature=-30°C, Package Quantity=1, Supplier Part Number 1=EG2355-ND, Voltage Rating (AC)=120V, Voltage Rating (DC)=28V, Actuator Length=12.19mm, Actuator Material=Brass,Chrome, Actuator Type="Standard Round", ComponentLink1Description=https://datasheet.ciiva.com/24455/t111597-24455739.pdf?src-supplier=Onlinecomponents.com, ComponentLink1URL=https://datasheet.ciiva.com/24455/t111597-24455739.pdf?src-supplier=Onlinecomponents.com, ComponentLink2Description=https://datasheet.ciiva.com/2905/t111597-2905494.pdf?src-supplier=Digi-Key, ComponentLink2URL=https://datasheet.ciiva.com/2905/t111597-2905494.pdf?src-supplier=Digi-Key, Contact Material=Silver, Contact Plating=Silver, Electrical Life=40000Cycles, Illumination Type=Non-Illuminated,Illuminated, Lead Free="Lead Free", Mount="Through Hole", Orientation=Vertical, Packaging=Bulk, Pricing 1="1=1.99000, 10=1.77900, 25=1.68240, 50=1.60200, 100=1.52950, 250=1.46512, 500=1.36850, 1000=1.30410 (USD)", RoHS=Yes, Stock 1=4845, Supplier 1=Digi-Key, Switch Function=On-On, Termination="PC Pin", Throw Configuration=SPDT
S6 S8 S9 S10 S11 S12 S13 S14 S15 S16 S17 S18 S19: library part MOMENTARY_SWITCH_TH, "TACTILE MOMENTARY PUSHBUTTON SPST", Manufacturer 1=SparkFun, Manufacturer Part Number 1=COM-10302, Package=TACTILE_SWITCH_PTH_12MM, Supplier Part Number 1=1568-1332-ND, Mount="Through Hole", PROD_ID=SWCH-09185, SF_SKU=COM-09190, Supplier 1=Digi-Key, SymbolName_1=SWITCH-MOMENTARY-2, Termination="PC Pin", Throw Configuration=SPST
S7: library part SW_SPDT, "SWITCH TOGGLE SPDT 5A 120V", Current Rating=5A, Manufacturer 1=E-Switch, Max Operating Temperature=85°C, Min Operating Temperature=-30°C, Supplier Part Number 1=EG2355-ND, Voltage Rating (AC)=120V, Voltage Rating (DC)=28V, Actuator Length=12.19mm, Actuator Material=Brass,Chrome, Actuator Type="Standard Round", Contact Material=Silver, Contact Plating=Silver, Electrical Life=40000Cycles, Illumination Type=Non-Illuminated,Illuminated, Manufacturer Part Number 1=100SP1T1B4M2QE, Mount="Through Hole", Orientation=Vertical, Supplier 1=Digi-Key, Switch Function=On-On, Termination="PC Pin", Throw Configuration=SPDT
TP1 TP2 TP3 TP4 TP5 TP6: "Loop testpoint through-hole pad", Manufacturer 1="Keystone Electronics", Manufacturer Part Number 1=5002, Supplier Part Number 1=36-5002-ND, Mount="Through Hole", Supplier 1=Digi-Key
U1: library part CMP-0395-00300-2, "IC REG LINEAR 3.3V 1A SOT223-6", Manufacturer="Texas Instruments", Rating=Catalog, Supplier Part Number 1=296-22681-2-ND, Accuracy(%)=3, DatasheetVersion=SBVS067O, Eco-Plan="Green (RoHS & no Sb/Br)", Fixed Output Options(V)=3.3, Iout(Max)(A)=1, Iq(Typ)(mA)=0.3, Manufacturer 1="Texas Instruments", Manufacturer Part Number 1=TPS73733DCQR, Mounting Technology="Surface Mount", PackageDescription="6-Pin Plastic Small Outline, Body 3.5 x 6.5 mm, Pitch 1.27 mm", PackageReference=DCQ0006A, PackageVersion=4202109/D, PartNumber=TPS73733DCQR, SubFamily="Single Channel LDO", Supplier 1=Digi-Key, Vdo(Typ)(mV)=130, Vin(Max)(V)=5.5, Vin(Min)(V)=2.2, Vout Adj(Max)(V)=3.3, Vout Adj(Min)(V)=3.3
U2: library part MCU_STM32F446RET6, "ARM Cortex-M4 32-bit MCU+FPU, 512 KB Flash, 128 KB Internal RAM, 50 I/Os, 64-Pin LQFP, -40 to 85 degC, Tray", I/Os (High Current)=50, Operating Frequency(F) (Processor speed) (MHz)=180, Package Description=LQFP64, Package Reference="64-Pin Low-profile Quad Flat Package, Body 10 x 10 mm, Pitch 0.5 mm", Supplier Part Number 1=497-15376-ND, Supply Voltage(Vcc) min (V)=1.7, ComponentLink1Description="Manufacturer URL", ComponentLink1URL=http://www.st.com/, ComponentLink2Description=Datasheet, ComponentLink2URL=http://www.st.com/st-web-ui/static/active/en/resource/technical/document/datasheet/DM00141306.pdf, Core="ARM Cortex-M4", D/A Converter=2, DatasheetVersion="Rev. 6", FLASH Size (Prog) (kB)=512, Internal RAM Size (kB)=128, Mounting Technology="Surface Mount", Packing=Tray, Supplier 1=Digi-Key
VR1 VR2: "SLIDE POT 10K OHM 0.1W TOP 20MM", Manufacturer 1=Bourns, Manufacturer Part Number 1=PTA2043-2015DPB103, Max Operating Temperature=50°C, Max Power Dissipation=100mW, Min Operating Temperature=-10°C, Package Quantity=100, Power Rating=50mW, Resistance=10kR, Supplier Part Number 1=PTA2043-2015DPB103-ND, Tolerance=20%, ComponentLink1Description=https://datasheet.ciiva.com/6248/pta-6248511.pdf?src-supplier=Digi-Key, ComponentLink1URL=https://datasheet.ciiva.com/6248/pta-6248511.pdf?src-supplier=Digi-Key, Composition=Potentiometer, Depth=9mm, Height=0.256inch, Hole Diameter=1.2mm, Length=35mm, Military Standard=Not, Mount="Through Hole", Number of Turns=1, Packaging=Bulk, Pricing 1="1=1.29000, 10=1.14000, 25=1.02600, 50=0.98800, 100=0.95000, 250=0.89300, 500=0.76000, 1000=0.70300, 5000=0.57760 (USD)", Radiation Hardening=No, RoHS=Yes, Stock 1=927, Supplier 1=Digi-Key, Taper=Linear, Termination=Pin, Type=Potentiometer, Width=0.354inch
Y1: "CRYSTAL 25.0000MHZ 12PF SMD", Case/Package=SMD/SMT, ESR (Equivalent Series Resistance)=80R, Frequency=25MHz, Frequency Stability=15ppm, Frequency Tolerance=10ppm, Load Capacitance=12pF, Manufacturer 1="Kyocera AVX", Manufacturer Part Number 1=CX2520DB25000H0FLJC1, Max Operating Temperature=85°C, Min Operating Temperature=-30°C, Ratings=AEC-Q200, Supplier Part Number 1=1253-1724-1-ND, ComponentLink1Description=https://media.digikey.com/pdf/Data%20Sheets/AVX%20PDFs/CX2520DB_USY1M-H1-16429-00_Spec.pdf?src-supplier=Digi-Key, ComponentLink1URL=https://media.digikey.com/pdf/Data%20Sheets/AVX%20PDFs/CX2520DB_USY1M-H1-16429-00_Spec.pdf?src-supplier=Digi-Key, Height=0.022inch, Length=0.098inch, Mount="Surface Mount", Packaging="Tape and Reel", Pricing 1="1=0.72000, 10=0.63300, 50=0.59120, 100=0.52250, 500=0.49500, 1000=0.41250 (USD)", RoHS=Yes, Stock 1=11741, Supplier 1=Digi-Key, Width=0.079inch

## Nets (pads, with @x,y where several pads share a name; then routed paths per layer and width w, separated by ;. In a path a pad name is that pad's centre, name@x,y a point inside that pad or via, vN(x,y) a via of type N, cw(c..) or ccw(c..) an arc to the next point about the centre after c; other vN are vias at no path point)
3V3: C3.1 C4.2 C5.2 C6.2 C7.2 C8.2 C9.2 C10.2 C11.2 D4.4 D15.1 D39.1 J1.1 J1.4 J2.1 J5.H1 J5.H2 J5.V1 J6.H1 J6.V1 J7.H1 J7.V1 J8.H1 J8.V1 J9.H1 J9.H2 J9.V1 R1.2 R6.2 R12.1 R16.1 R18.1 R20.1 R21.1 R24.1 R25.1 R28.1 R29.1 R30.1 R33.1 R37.1 R41.1 R42.1 R47.1 R49.1 R50.1 R55.1 R56.1 R58.1 R61.1 R63.1 R64.1 R67.1 R68.1 R71.1 R72.1 TP2.1 U1.2 U2.1 U2.13 U2.19 U2.32 U2.48 U2.64 VR1.3 VR2.3
5V: C1.1 D1.2 TP1.1 U1.1 U1.5
GND: C1.2 C2.1 C3.2 C4.1 C5.1 C6.1 C7.1 C8.1 C9.1 C10.1 C11.1 C12.1 C13.1 C14.1 C15.1 C16.2 C17.1 C18.1 C19.1 C20.1 C21.1 C22.1 C23.1 C24.1 C25.1 C26.1 C27.1 C28.1 C29.1 C30.1 C31.1 C32.1 C33.1 C34.1 C35.1 C36.1 C37.1 C38.1 C39.1 C40.1 C41.1 C42.1 C43.1 C44.1 C45.1 C46.1 C47.1 C48.1 C49.1 C50.1 C51.1 C52.1 C53.1 C54.1 C55.1 D2.2 D3.2 D5.2 D6.2 D7.3 D8.2 D9.2 D10.2 D11.2 D12.2 D13.2 D14.2 D15.2 D16.2 D17.2 D18.2 D19.2 D20.2 D21.2 D22.2 D23.2 D24.2 D25.2 D26.2 D27.2 D28.2 D29.2 D30.2 D31.2 D32.2 D33.2 D34.2 D35.2 D36.2 D37.2 D38.2 D39.2 D40.2 D41.2 D42.2 D43.2 D44.2 D45.2 D46.2 J1.3 J1.6 J2.3 J2.5 J3.5 J3.Shell J5.B2A J5.H3 J5.V3 J6.B2A J6.H3 J6.V3 J7.B2A J7.H3 J7.V3 J8.B2A J8.H3 J8.V3 J9.B2A J9.H3 J9.V3 P1.1 R5.2 S1.2 S2.1 S3.1 S4.1 S5.2 S6.1 S7.2 S8.1 S9.1 S10.1 S11.1 S12.1 S13.1 S14.1 S15.1 S16.1 S17.1 S18.1 S19.1 TP3.1 TP4.1 U1.3 U1.6 U2.12 U2.18 U2.31 U2.47 U2.63 VR1.1 VR2.1 Y1.2
JTDI: J2.8 U2.50
JTDO/TRACESWO: J2.6 U2.55
NetC2_2: C2.2 U1.4
NetC12_2: C12.2 U2.6 Y1.1
NetC13_2: C13.2 U2.5 Y1.3
NetC15_2: C15.2 U2.30
NetC17_2: C17.2 R11.2 U2.9
NetC18_2: C18.2 R13.2 U2.43
NetC19_2: C19.2 R14.2 U2.15
NetC20_2: C20.2 R15.2 U2.16
NetC21_2: C21.2 R17.2 U2.42
NetC22_2: C22.2 R22.2 U2.41
NetC23_2: C23.2 R19.2 U2.8
NetC24_2: C24.2 R21.2 U2.14
NetC25_2: C25.2 R23.2 U2.11
NetC26_2: C26.2 R26.2 U2.61
NetC27_2: C27.2 R27.2 U2.59
NetC28_2: C28.2 R31.2 U2.56
NetC29_2: C29.2 R32.2 U2.58
NetC30_2: C30.2 R34.2 U2.57
NetC31_2: C31.2 R38.2 U2.54
NetC32_2: C32.2 R35.2 U2.27
NetC33_2: C33.2 R36.2 U2.22
NetC34_2: C34.2 R39.2 U2.21
NetC35_2: C35.2 R40.2 U2.10
NetC36_2: C36.2 R43.2 U2.53
NetC37_2: C37.2 R44.2 U2.28
NetC38_2: C38.2 R45.2 U2.24
NetC39_2: C39.2 R46.2 U2.23
NetC40_2: C40.2 R48.2 U2.52
NetC41_2: C41.2 R52.2 U2.51
NetC42_2: C42.2 R51.2 U2.29
NetC43_2: C43.2 R53.2 U2.26
NetC44_2: C44.2 R54.2 U2.25
NetC45_2: C45.2 R59.2 U2.40
NetC46_2: C46.2 R60.2 U2.36
NetC47_2: C47.2 R57.2 U2.62
NetC48_2: C48.2 R61.2 U2.20
NetC49_2: C49.2 R62.2 U2.17
NetC50_2: C50.2 R65.2 U2.39
NetC51_2: C51.2 R66.2 U2.35
NetC52_2: C52.2 R69.2 U2.38
NetC53_2: C53.2 R70.2 U2.34
NetC54_2: C54.2 R73.2 U2.37
NetC55_2: C55.2 R74.2 U2.33
NetD1_1: D1.1 D2.1 F1.2
NetD3_1: D3.1 R1.1
NetD4_1: D4.1 R3.2
NetD4_2: D4.2 R4.1
NetD4_3: D4.3 R2.1
NetD6_1: D6.1 R8.1
NetD8_1: D8.1 R11.1 VR1.2
NetD9_1: D9.1 R12.2 R13.1 S2.3
NetD10_1: D10.1 J1.5 R15.1
NetD11_1: D11.1 J1.2 R14.1
NetD12_1: D12.1 R16.2 R17.1 S3.3
NetD13_1: D13.1 R20.2 R22.1 S4.3
NetD14_1: D14.1 J5.V2 R23.1
NetD16_1: D16.1 J5.B1A R18.2 R19.1
NetD17_1: D17.1 R25.2 R27.1 S5.3
NetD18_1: D18.1 R24.2 R26.1 S5.1
NetD19_1: D19.1 R28.2 R31.1 S6.3
NetD20_1: D20.1 R30.2 R34.1 S7.3
NetD21_1: D21.1 R29.2 R32.1 S7.1
NetD22_1: D22.1 R37.2 R38.1 S8.3
NetD23_1: D23.1 J6.V2 R39.1
NetD24_1: D24.1 J6.H2 R36.1
NetD25_1: D25.1 J6.B1A R33.2 R35.1
NetD26_1: D26.1 R40.1 VR2.2
NetD27_1: D27.1 R42.2 R43.1 S9.3
NetD28_1: D28.1 J7.V2 R46.1
NetD29_1: D29.1 J7.H2 R45.1
NetD30_1: D30.1 J7.B1A R41.2 R44.1
NetD31_1: D31.1 R47.2 R48.1 S10.3
NetD32_1: D32.1 R50.2 R52.1 S11.3
NetD33_1: D33.1 J8.V2 R54.1
NetD34_1: D34.1 J8.H2 R53.1
NetD35_1: D35.1 J8.B1A R49.2 R51.1
NetD36_1: D36.1 R56.2 R59.1 S12.3
NetD37_1: D37.1 R58.2 R60.1 S13.3
NetD38_1: D38.1 J9.V2 R62.1
NetD40_1: D40.1 J9.B1A R55.2 R57.1
NetD41_1: D41.1 R63.2 R65.1 S14.3
NetD42_1: D42.1 R64.2 R66.1 S15.3
NetD43_1: D43.1 R67.2 R69.1 S16.3
NetD44_1: D44.1 R68.2 R70.1 S17.3
NetD45_1: D45.1 R71.2 R73.1 S18.3
NetD46_1: D46.1 R72.2 R74.1 S19.3
NetF1_1: F1.1 P1.2
NetR5_1: R5.1 U2.60
nLED_B: R2.2 U2.4
nLED_G: R4.2 U2.3
nLED_R: R3.1 U2.2
nRESET: D5.1 R7.2 U2.7
nRESET_R: C14.2 J2.10 R6.1 R7.1 S1.1
SWD_CLK: J2.4 U2.49
SWD_IO: J2.2 U2.46
USB_5V: C16.1 J3.1 R8.2
USBD_N: R9.2 TP5.1 U2.44
USBD_P: R10.2 TP6.1 U2.45
USBD_R_N: D7.2 J3.2 R9.1
USBD_R_P: D7.1 J3.3 R10.1
pads on no net: J2.7 J2.9 J3.4 J3.MH1 J3.MH2 J5.B1B J5.B2B J5.S1 J5.S2 J5.S3 J5.S4 J6.B1B J6.B2B J6.S1 J6.S2 J6.S3 J6.S4 J7.B1B J7.B2B J7.S1 J7.S2 J7.S3 J7.S4 J8.B1B J8.B2B J8.S1 J8.S2 J8.S3 J8.S4 J9.B1B J9.B2B J9.S1 J9.S2 J9.S3 J9.S4 MH1.0 MH2.0 MH3.0 MH4.0 S2.2 S2.4 S3.2 S3.4 S4.2 S4.4 S6.2 S6.4 S8.2 S8.4 S9.2 S9.4 S10.2 S10.4 S11.2 S11.4 S12.2 S12.4 S13.2 S13.4 S14.2 S14.4 S15.2 S15.4 S16.2 S16.4 S17.2 S17.4 S18.2 S18.4 S19.2 S19.4 VR1.4 VR1.5 VR1.6 VR1.7 VR2.4 VR2.5 VR2.6 VR2.7 Y1.4

## Silkscreen, mask and mechanical layers (free items; w line width, h text height)
Mechanical 1:
  the board outline again, w47.24

## Text inside footprints (layer, text, board x,y; h text height)
J3: Mechanical 2 "PCB Edge" at 5992.24,6157.68 h16 r180